# Allegro board STANDARD.brd
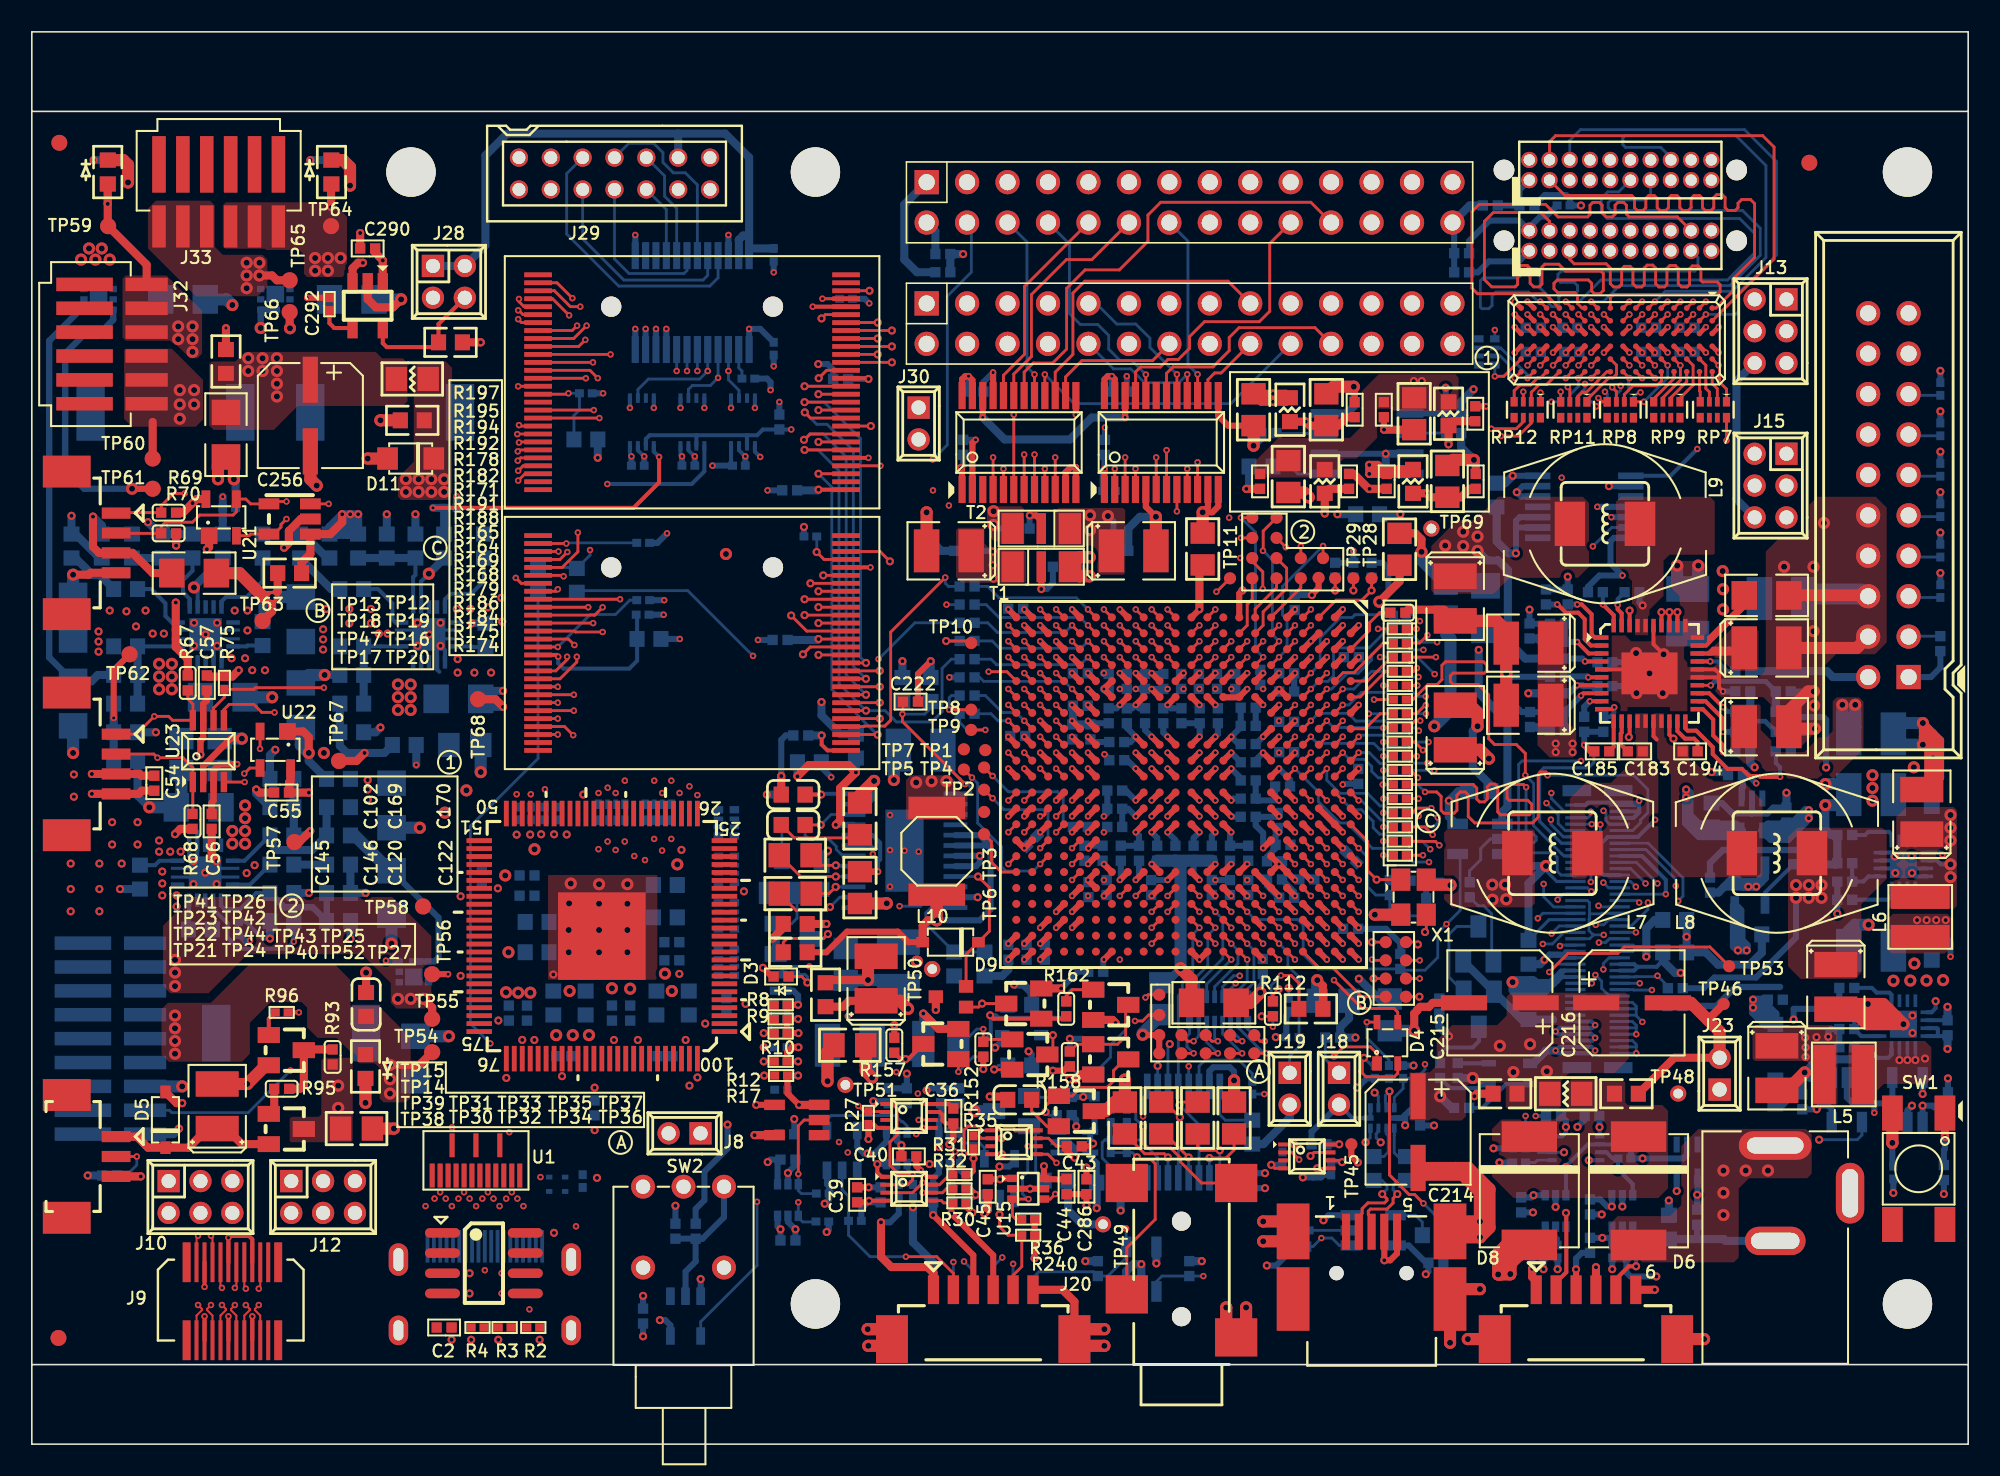
[diagram p0: board, top side]
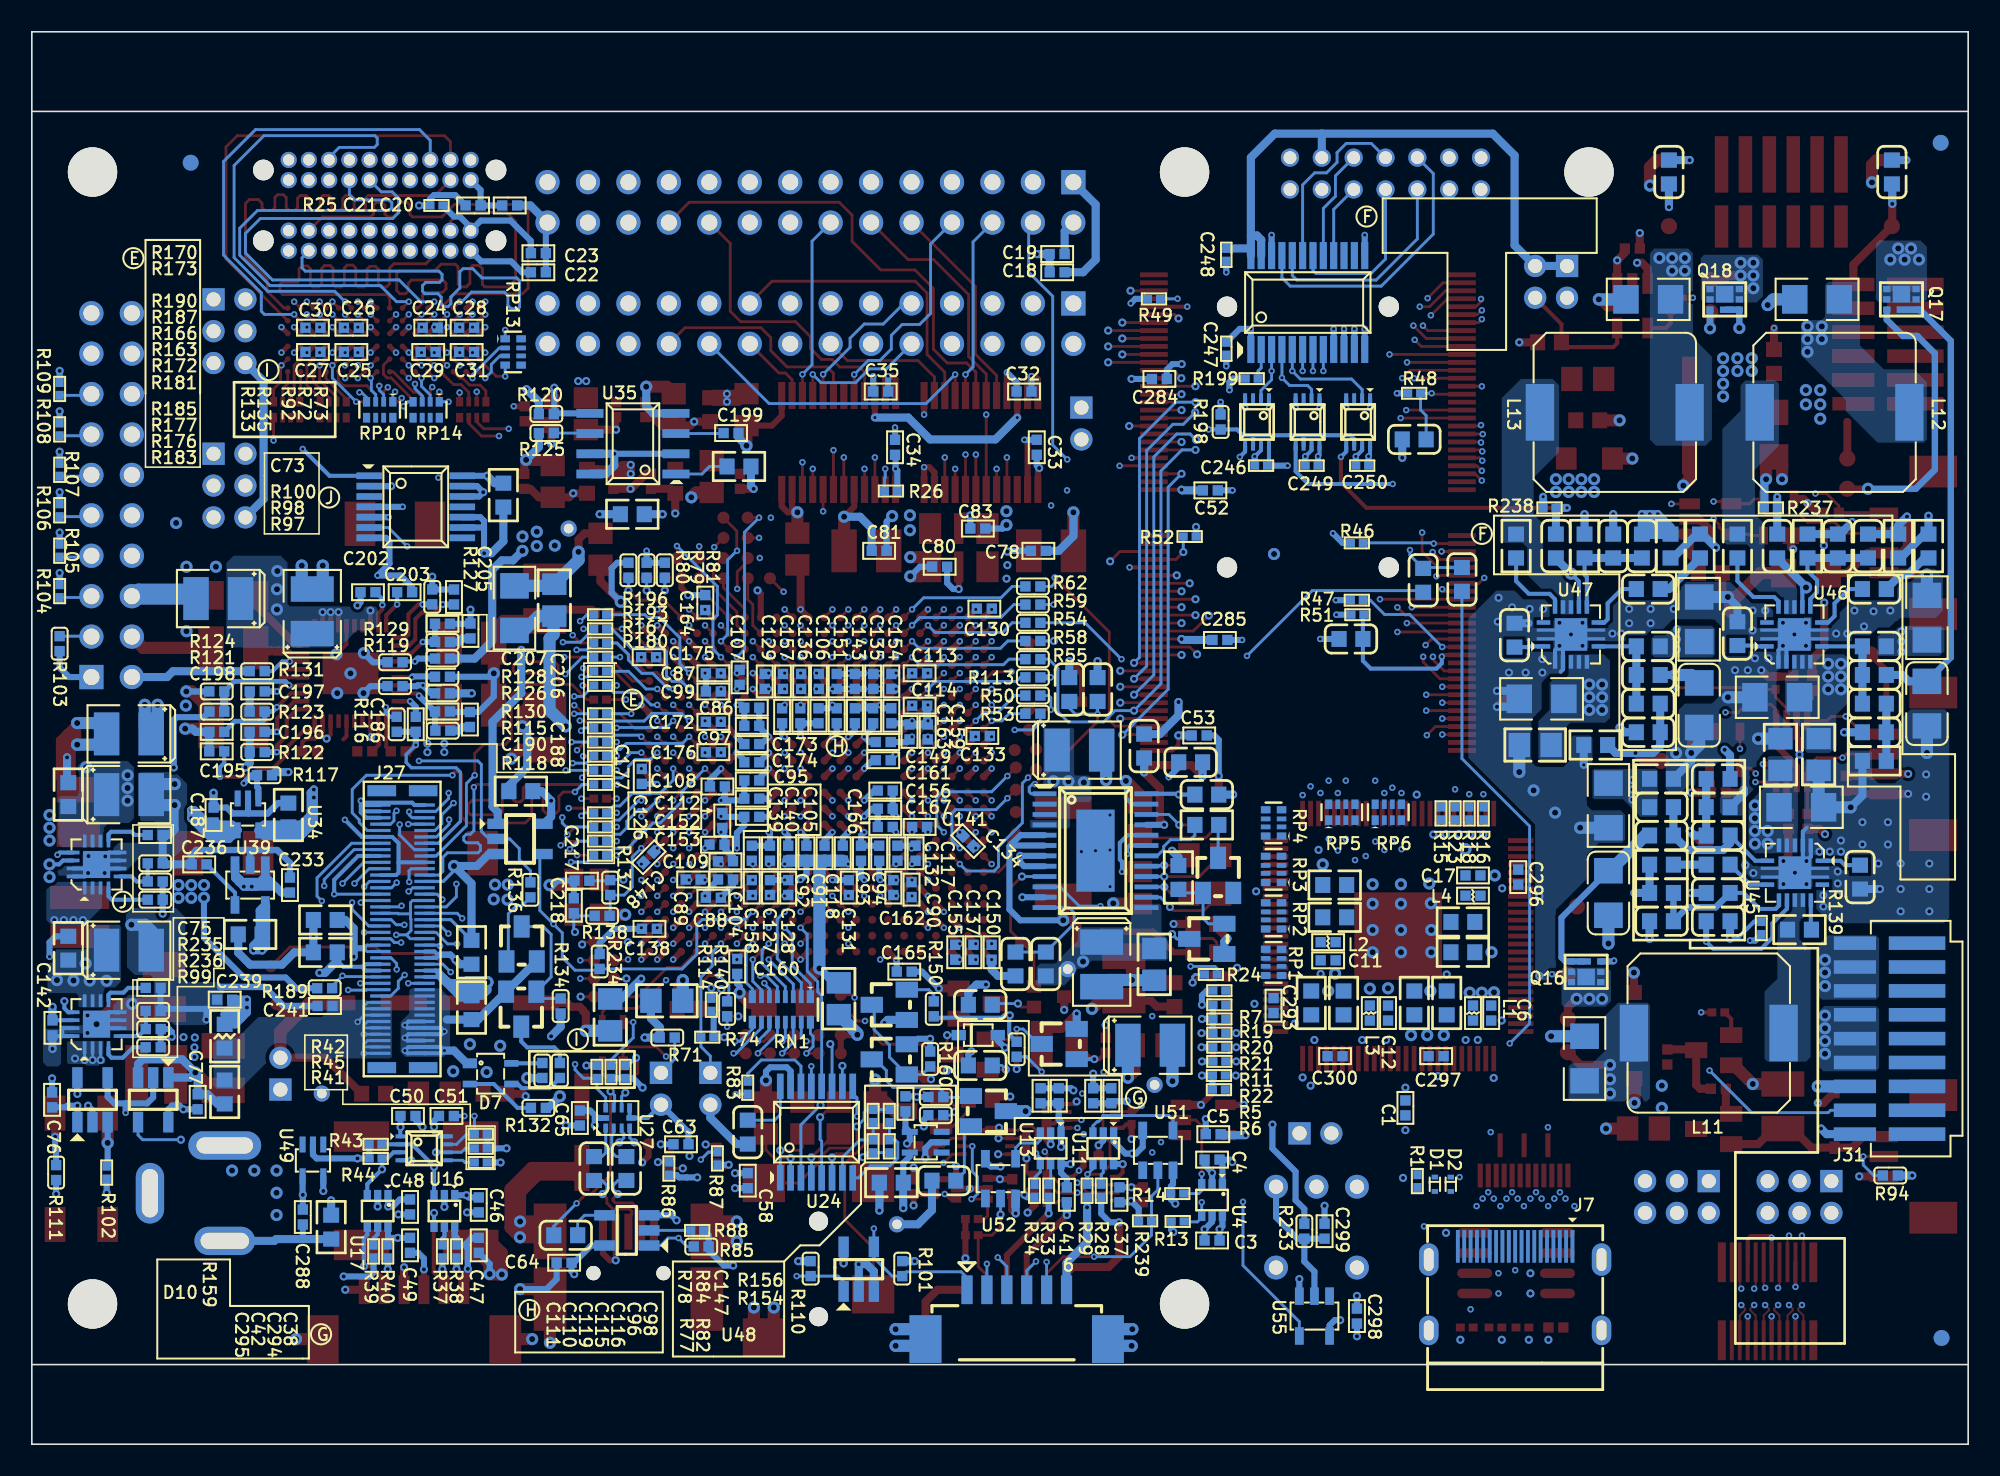
[diagram p1: board, bottom side, seen from below]

Outline 121.6 x 88.74 mm; copper layers: TOP, 2-GND, 3-SIG, 4--SIG, 5-VCC, 6-SIG, 7-VCC, BOTTOM. Coordinates in mm from the lower left corner of the outline.
Outline path: 0,83.74 0,88.74 121.6,88.74 121.6,83.74 ; 0,5 0,0 121.6,0 121.6,5

## Design rules (mm)
net group DIFF: nets USB_DAT_N USB_DAT_P
net group DIFFPAIR0: nets USB_DAT_NS USB_DAT_PS
net group DIFFPAIR2: nets RX_DATA0N RX_DATA0P
net group DIFFPAIR4: nets RX_DATA2N RX_DATA2P
net group DIFFPAIR5: nets DAT_N DAT_P
net group DIFFPAIR6: nets SYS_USB_DN SYS_USB_DP
net group P1_: nets P1_FIELD P2_CLK
net group 20: nets P3_CLK XTAL_IN XTAL_OUT
net group A2: nets A2 DVR0 P1_A2
net group A3: nets A3 DVR1 P1_A3
net group A4: nets A4 DVR2 P1_A4
net group A5: nets A5 DVR3 P1_A5
net group A6: nets A6 DVR4 P1_A6
net group A7: nets A7 DVR5 P1_A7
net group A8: nets A8 DVR6 P1_A8
net group A9: nets A9 DVR7 P1_A9
net group B2: nets B2 DVG0 P1_B2
net group B3: nets B3 DVG1 P1_B3
net group B4: nets B4 DVG2 P1_B4
net group B5: nets B5 DVG3 P1_B5
net group B6: nets B6 DVG4 P1_B6
net group B7: nets B7 DVG5 P1_B7
net group B8: nets B8 DVG6 P1_B8
net group B9: nets B9 DVG7 P1_B9
net group C2: nets C2 DVB0 P1_C2
net group C3: nets C3 DVB1 P1_C3
net group C4: nets C4 DVB2 P1_C4
net group C5: nets C5 DVB3 P1_C5
net group C6: nets C6 DVB4 P1_C6
net group C7: nets C7 DVB5 P1_C7
net group C8: nets C8 DVB6 P1_C8
net group C9: nets C9 DVB7 P1_C9
net group CLK: nets SSP0_CLK
net group D: nets DMD_D00 DMD_D01 DMD_D03 DMD_D04 DMD_D05 DMD_D07 DMD_D08 DMD_D11 DMD_D12 DMD_D13 DMD_D15 DMD_D16 DMD_D17 DMD_D20 DMD_D21 DMD_D22 DMD_D23 DMD_DAD_BUS DMD_DAD_OEZ DMD_DAD_STRB DMD_LOADB DMD_SAC_BUS DMD_SAC_CLK DMD_SCTRL DMD_TRC
net group DMD: nets D_D02 D_D06 D_D09 D_D10 D_D14 D_D18 D_D19 D_DCLK
net group DMD_D00: nets D_D00
net group DMD_D01: nets D_D01
net group DMD_D02: nets DMD_D02
net group DMD_D03: nets D_D03
net group DMD_D04: nets D_D04
net group DMD_D05: nets D_D05
net group DMD_D06: nets DMD_D06
net group DMD_D07: nets D_D07
net group DMD_D08: nets D_D08
net group DMD_D09: nets DMD_D09
net group DMD_D10: nets DMD_D10
net group DMD_D11: nets D_D11
net group DMD_D12: nets D_D12
net group DMD_D13: nets D_D13
net group DMD_D14: nets DMD_D14
net group DMD_D15: nets D_D15
net group DMD_D16: nets D_D16
net group DMD_D17: nets D_D17
net group DMD_D18: nets DMD_D18
net group DMD_D19: nets DMD_D19
net group DMD_D20: nets D_D20
net group DMD_D21: nets D_D21
net group DMD_D22: nets D_D22
net group DMD_D23: nets D_D23
net group DMD_DAD_BUS: nets D_BUS
net group DMD_DAD_OEZ: nets D_OEZ
net group DMD_DAD_STRB: nets D_STRB
net group DMD_DCLK: nets DMD_DCLK
net group DMD_LOADB: nets D_LOADB
net group DMD_SAC_BUS: nets D_SACBUS
net group DMD_SAC_CLK: nets D_SACCLK
net group DMD_SCTRL: nets D_SCTRL
net group DMD_TRC: nets D_TRC
net group DVCLK: nets DVCLK MOC MUX_PCLK
net group DVDE: nets DVDE MDE MUX_DATAEN
net group DVHS: nets DVHS MHS MUX_HSYNC
net group DVVS: nets DVVS MUX_VSYNC MVS
net group PM_: nets PM_BLS0 PM_BLS0S PM_BLS1 PM_BLS1S PM_OEZ PM_SRAM_CSSZ PM_SRAM_CSZ PM_WEZ
net group PWR_PH: nets A1P8V_PLLD A1P8V_PLLM P1P2V_PLLD P1P2V_PLLM P1P8V_LED P1P8V_TIN P1P8V_TOUT P2P5V
net group SYS-M: nets SYS_DATA00 SYS_DATA01 SYS_DATA02 SYS_DATA03 SYS_DATA04 SYS_DATA05 SYS_DATA06 SYS_DATA07 SYS_DATA08 SYS_DATA09 SYS_DATA10 SYS_DATA11 SYS_DATA12 SYS_DATA13 SYS_DATA14 SYS_DATA15 SYS_DATA16 SYS_DATA17 SYS_DATA18 SYS_DATA19 SYS_DATA20 SYS_DATA21 SYS_DATA22 SYS_DATA23 SYS_DATA_EN SYS_HSYNC SYS_PCLK SYS_VSYNC
net group TRACEPT: nets TRACEPKT0 TRACEPKT1 TRACEPKT2 TRACEPKT3 TRACEPKT6 TRACEPKT7

## Placement (name value [footprint] x y rotation side)
C1  0.1uF  [CAP_0402]  35.34 21.13 270 bottom
C2  0.1uF  [CAP_0402]  25.89 7.33 180 top
C3  0.1uF  [CAP_0402]  47.48 12.8 0 bottom
C4  0.1uF  [CAP_0402]  47.48 17.88 0 bottom
C5  0.1uF  [CAP_0402]  47.41 19.48 0 bottom
C6  0.1uF  [CAP_0402]  29.95 27.09 270 bottom
C7  10uF  [CAP_0603]  34.78 27.72 90 bottom
C8  10uF  [CAP_0603]  32.75 27.72 90 bottom
C9  10uF  [CAP_0603]  39.78 33.1 180 bottom
C10  10uF  [CAP_0603]  39.78 35.13 180 bottom
C11  0.1uF  [CAP_0402]  40.19 30.4 0 bottom
C12  0.1uF  [CAP_0402]  36.43 27.09 270 bottom
C13  10uF  [CAP_0603]  39.22 27.72 90 bottom
C14  10uF  [CAP_0603]  41.26 27.72 90 bottom
C15  10uF  [CAP_0603]  31.73 30.91 0 bottom
C16  10uF  [CAP_0603]  31.73 32.81 0 bottom
C17  0.1uF  [CAP_0402]  31.1 35.73 180 bottom
C18  0.1uF  [CAP_0402]  57.21 73.63 0 bottom
C19  0.1uF  [CAP_0402]  57.21 74.78 0 bottom
C20  0.1uF  [CAP_0402]  91.59 77.83 180 bottom
C21  0.1uF  [CAP_0402]  93.89 77.83 0 bottom
C22  0.1uF  [CAP_0402]  89.79 73.63 180 bottom
C23  0.1uF  [CAP_0402]  89.79 74.83 180 bottom
C24  0.1 uF  [CAP_0402]  96.58 70.15 0 bottom
C25  0.1 uF  [CAP_0402]  101.53 68.63 0 bottom
C26  0.1 uF  [CAP_0402]  101.53 70.15 0 bottom
C27  0.1 uF  [CAP_0402]  103.95 68.63 0 bottom
C28  0.1 uF  [CAP_0402]  94.3 70.15 0 bottom
C29  0.1 uF  [CAP_0402]  96.71 68.63 0 bottom
C30  0.1 uF  [CAP_0402]  103.95 70.15 0 bottom
C31  0.1 uF  [CAP_0402]  94.3 68.63 0 bottom
C32  0.1uF  [CAP_0402]  59.29 66.14 0 bottom
C33  0.1uF  [CAP_0402]  58.49 62.64 90 bottom
C34  0.1uF  [CAP_0402]  67.39 62.64 90 bottom
C35  0.1uF  [CAP_0402]  68.29 66.14 0 bottom
C36  0.1uF  [CAP_0402]  57.87 20.62 270 top
C37  0.1uF  [CAP_0402]  53.3 15.67 270 bottom
C38  0.1uF  [CAP_0402]  53.81 21.89 90 bottom
C39  0.1uF  [CAP_0402]  51.83 15.67 270 top
C40  0.1uF  [CAP_0402]  55.08 18.08 180 top
C41  0.1uF  [CAP_0402]  56.6 15.67 270 bottom
C42  0.1uF  [CAP_0402]  57.11 21.89 90 bottom
C43  0.1uF  [CAP_0402]  65.47 18.72 180 top
C44  0.1uF  [CAP_0402]  64.98 16.18 270 top
C45  0.1uF  [CAP_0402]  60.03 16.18 270 top
C46  0.1uF  [CAP_0402]  93.53 15.03 270 bottom
C47  0.1uF  [CAP_0402]  93.53 12.49 270 bottom
C48  0.1uF  [CAP_0402]  97.85 14.91 270 bottom
C49  0.1uF  [CAP_0402]  97.85 12.49 270 bottom
C50  0.1uF  [CAP_0402]  97.98 20.62 180 bottom
C51  0.1uF  [CAP_0402]  95.56 20.62 180 bottom
C52  0.1 uF  [CAP_0402]  47.59 59.93 0 bottom
C53  0.1 uF  [CAP_0402]  48.29 44.53 0 bottom
C54  0.1 uF  [CAP_0402]  7.69 41.53 90 top
C55  0.1 uF  [CAP_0402]  15.68 40.94 0 top
C56  0.1uF  [CAP_0402]  11.29 39.13 270 top
C57  0.1uF  [CAP_0402]  10.99 47.83 90 top
C58  0.1 uF  [CAP_0402]  76.64 16.56 90 bottom
C59  0.1 uF  [CAP_0805]  75.5 20.49 90 top
C60  0.1 uF  [CAP_0805]  73.21 20.49 270 top
C61  0.1 uF  [CAP_0805]  68.64 20.49 90 top
C62  0.1 uF  [CAP_0805]  70.93 20.49 270 top
C63  0.1uF  [CAP_0402]  80.83 18.84 180 bottom
C64  0.1 uF  [CAP_0402]  88.17 11.4 180 bottom
C65  0.1uF  [CAP_0402]  87.18 20.49 270 bottom
C66  1 uF  [CAP_0805]  20.39 19.83 180 top
C67  22 uF  [CAP_1210]  11.64 21.23 270 top
C68  10 uF  [CAP_1210]  115.5 40.81 180 bottom
C69  22 uF  [CAP_1210]  118.69 39.73 270 top
C70  10 uF  [CAP_1210]  115.5 31.04 180 bottom
C71  22 uF  [CAP_1210]  109.59 23.63 90 top
C72  0.1 uF  [CAP_0603]  119.31 40.81 270 bottom
C73  3.3 nF  [CAP_0402]  113.85 38.27 0 bottom
C74  0.1 uF  [CAP_0603]  119.31 31.16 270 bottom
C75  3.3 nF  [CAP_0402]  113.98 28.67 0 bottom
C76  0.1 uF  [CAP_0402]  120.33 21.64 90 bottom
C77  0.1 uF  [CAP_0402]  111.19 21.51 270 bottom
C78  0.1 uF  [CAP_0402]  58.39 56.13 180 bottom
C79  22 uF  [CAP_1210]  57.59 56.13 0 top
C80  10 nF  [CAP_0402]  64.59 55.13 180 bottom
C81  0.1 uF  [CAP_0402]  68.39 56.13 0 bottom
C82  22 uF  [CAP_1210]  69.19 56.13 180 top
C83  10 nF  [CAP_0402]  62.19 57.53 0 bottom
C84  10 uF  [CAP_0805]  85.28 26.97 270 bottom
C85  10 uF  [CAP_0805]  70.93 27.99 270 bottom
C86  0.1 uF  [CAP_0402]  76.39 46.28 180 bottom
C87  0.1 uF  [CAP_0402]  78.8 48.43 0 bottom
C88  0.1 uF  [CAP_0402]  78.8 34.34 0 bottom
C89  0.1 uF  [CAP_0402]  80.07 35.48 0 bottom
C90  0.1 uF  [CAP_0402]  66.36 34.85 270 bottom
C91  0.1 uF  [CAP_0402]  71.82 37.13 90 bottom
C92  0.1 uF  [CAP_0402]  72.96 37.13 90 bottom
C93  0.1 uF  [CAP_0402]  69.53 37.13 90 bottom
C94  0.1 uF  [CAP_0402]  68.39 37.13 90 bottom
C95  0.1 uF  [CAP_0402]  76.39 41.7 180 bottom
C96  0.1 uF  [CAP_0402]  68.77 45.77 270 bottom
C97  0.1 uF  [CAP_0402]  76.39 45.13 180 bottom
C98  0.1 uF  [CAP_0402]  67.62 45.77 270 bottom
C99  0.1 uF  [CAP_0402]  78.8 47.29 0 bottom
C100  10 uF  [CAP_0805]  76.72 65 270 top
C101  10 uF  [CAP_0805]  81.29 65 90 top
C102  0.001 uF  [CAP_0402]  83.07 65 270 top
C103  100 uF  [CAP_1206]  74.23 27.73 0 top
C104  0.1 uF  [CAP_0402]  78.04 35.48 0 bottom
C105  0.1 uF  [CAP_0402]  74.1 37.13 90 bottom
C106  0.1 uF  [CAP_0402]  72.17 47.93 270 bottom
C107  0.1 uF  [CAP_0402]  77.15 48.18 270 bottom
C108  0.1 uF  [CAP_0402]  78.55 41.32 0 bottom
C109  0.1 uF  [CAP_0402]  78.04 36.62 180 bottom
C110  0.1 uF  [CAP_0402]  73.34 45.77 270 bottom
C111  0.1 uF  [CAP_0402]  74.48 45.77 270 bottom
C112  0.1 uF  [CAP_0402]  76.39 40.56 180 bottom
C113  0.1 uF  [CAP_0402]  65.85 48.43 180 bottom
C114  0.1 uF  [CAP_0402]  65.85 46.4 180 bottom
C115  0.1 uF  [CAP_0402]  71.05 45.77 270 bottom
C116  0.1 uF  [CAP_0402]  69.91 45.77 270 bottom
C117  0.1 uF  [CAP_0402]  66.1 37.13 90 bottom
C118  0.1 uF  [CAP_0402]  70.67 37.13 90 bottom
C119  0.1 uF  [CAP_0402]  72.2 45.77 270 bottom
C120  0.1 uF  [CAP_0402]  85.09 60.5 270 top
C121  10 uF  [CAP_0805]  88.9 60.5 90 top
C122  0.001 uF  [CAP_0402]  90.67 60.5 270 top
C123  10 uF  [CAP_0805]  81.72 27.86 180 bottom
C124  10 uF  [CAP_0805]  85.89 56.23 90 top
C125  10 uF  [CAP_0805]  73.53 56.24 90 top
C126  0.1 uF  [CAP_0402]  78.24 39.19 270 bottom
C127  0.1 uF  [CAP_0402]  75.25 34.97 90 bottom
C128  0.1 uF  [CAP_0402]  74.1 34.97 90 bottom
C129  0.1 uF  [CAP_0402]  75.58 47.93 270 bottom
C130  0.1 uF  [CAP_0402]  61.78 52.5 0 bottom
C131  0.1 uF  [CAP_0402]  70.29 34.97 90 bottom
C132  0.1 uF  [CAP_0402]  67.24 37.13 90 bottom
C133  0.1 uF  [CAP_0402]  61.91 44.5 0 bottom
C134  0.1 uF  [CAP_0402]  62.8 37.89 45 bottom
C135  0.1 uF  [CAP_0402]  68.77 47.93 270 bottom
C136  0.1 uF  [CAP_0402]  73.29 47.93 270 bottom
C137  0.1 uF  [CAP_0402]  62.47 30.91 90 bottom
C138  0.1 uF  [CAP_0402]  82.81 32.38 180 bottom
C139  0.1 uF  [CAP_0402]  76.39 37.13 90 bottom
C140  0.1 uF  [CAP_0402]  75.25 37.13 90 bottom
C141  0.1 uF  [CAP_0402]  65.85 38.78 180 bottom
C142  0.1 uF  [CAP_0402]  120.3 26.16 270 bottom
C143  0.1 uF  [CAP_0402]  69.91 47.93 270 bottom
C144  10 uF  [CAP_0805]  78.91 60.8 270 top
C145  0.1 uF  [CAP_0402]  77.13 60.5 270 top
C146  0.1 uF  [CAP_0402]  82.72 60.5 90 top
C147  0.1 uF  [CAP_0402]  66.74 21.38 90 bottom
C148  0.1 uF  [CAP_0402]  82.87 36.88 135 bottom
C149  0.1 uF  [CAP_0402]  68.13 44.12 0 bottom
C150  0.1 uF  [CAP_0402]  61.33 30.91 270 bottom
C151  0.1 uF  [CAP_0402]  71.05 47.93 270 bottom
C152  0.1 uF  [CAP_0402]  76.39 39.42 180 bottom
C153  0.1 uF  [CAP_0402]  78.57 37.66 180 bottom
C154  0.1 uF  [CAP_0402]  67.62 47.93 90 bottom
C155  0.1 uF  [CAP_0402]  63.61 30.91 90 bottom
C156  0.1 uF  [CAP_0402]  68.01 41.07 0 bottom
C157  0.1 uF  [CAP_0402]  74.43 47.93 270 bottom
C158  0.1 uF  [CAP_0402]  76.39 34.97 90 bottom
C159  0.1 uF  [CAP_0402]  65.34 44.75 90 bottom
C160  0.1 uF  [CAP_0402]  77.3 30.02 270 bottom
C161  0.1 uF  [CAP_0402]  68.13 42.97 0 bottom
C162  0.1 uF  [CAP_0402]  67.5 34.97 90 bottom
C163  0.1 uF  [CAP_0402]  66.48 44.75 90 bottom
C164  0.1 uF  [CAP_0402]  79.31 52.88 90 bottom
C165  0.1 uF  [CAP_0402]  66.81 29.69 180 bottom
C166  0.1 uF  [CAP_0402]  68.01 38.78 0 bottom
C167  0.1 uF  [CAP_0402]  68.01 39.93 0 bottom
C168  10 uF  [CAP_0805]  86.81 64.74 270 top
C169  0.1 uF  [CAP_0402]  84.9 65 270 top
C170  0.1 uF  [CAP_0402]  90.65 64.74 90 top
C171  10 uF  [CAP_0805]  88.79 53.03 90 bottom
C172  0.1 uF  [CAP_0402]  78.8 45.39 180 bottom
C173  0.1 uF  [CAP_0402]  76.39 43.99 180 bottom
C174  0.1 uF  [CAP_0402]  76.39 42.85 180 bottom
C175  0.1 uF  [CAP_0402]  82.87 49.45 180 bottom
C176  0.1 uF  [CAP_0402]  78.8 43.48 180 bottom
C177  0.1 uF  [CAP_0402]  83.3 41.96 270 bottom
C178  100 uF  [CAP_1206]  91.29 52.53 90 bottom
C179  10 uF  [CAP_1210]  93.99 46.43 180 top
C180  10 uF  [CAP_1210]  109.89 53.13 0 bottom
C181  10 uF  [CAP_1210]  108.94 45.08 0 top
C182  10 uF  [CAP_1210]  115.5 44.63 0 bottom
C183  47 nF  [CAP_0402]  100.69 43.53 0 top
C184  22 uF  [CAP_1210]  89.39 45.03 270 top
C185  4.7 nF  [CAP_0402]  98.59 43.53 180 top
C186  4.7 nF  [CAP_0402]  97.49 45.23 270 bottom
C187  0.1 uF  [CAP_0402]  110.19 39.53 90 bottom
C188  4.7 nF  [CAP_0402]  94.09 45.53 270 bottom
C189  2.2 uF  [CAP_0603]  105.49 39.53 270 bottom
C190  100 pF  [CAP_0402]  95.81 46.03 0 bottom
C191  10 uF  [CAP_1210]  103.99 52.33 90 bottom
C192  22 uF  [CAP_1210]  113.29 28.73 90 top
C193  0.1 uF  [CAP_0603]  83.89 58.43 0 bottom
C194  47 nF  [CAP_0402]  104.14 43.53 180 top
C195  10 nF  [CAP_0402]  109.99 43.53 0 bottom
C196  4.7 nF  [CAP_0402]  107.45 44.76 0 bottom
C197  4.7 nF  [CAP_0402]  107.45 47.3 0 bottom
C198  100 pF  [CAP_0402]  109.99 44.76 180 bottom
C199  47 nF  [CAP_0402]  77.69 63.53 0 bottom
C200  0.1 uF  [CAP_0603]  77.19 61.43 0 bottom
C201  10 uF  [CAP_1210]  93.99 50.33 180 top
C202  47 nF  [CAP_0402]  100.49 53.53 0 bottom
C203  10 nF  [CAP_0402]  98.19 53.53 180 bottom
C204  22 uF  [CAP_1210]  89.39 53.13 90 top
C205  4.7 nF  [CAP_0402]  95.09 53.23 90 bottom
C206  4.7 nF  [CAP_0402]  94.05 51.09 270 bottom
C207  100 pF  [CAP_0402]  95.81 51.55 0 bottom
C208  0.1 uF  [CAP_0603]  90.89 41.03 180 bottom
C209  3.3 uF  [CAP_1206]  108.94 53.33 180 top
C210  10 uF  [CAP_1210]  108.94 50.03 0 top
C211  0.1 uF  [CAP_0603]  91.99 59.63 90 bottom
C212  0.1 uF  [CAP_0603]  100.14 22.02 180 top
C213  0.1 uF  [CAP_0603]  92.52 22.02 0 top
C214  100 uF  [CAP-FK-V-CASEE_PAN]  87.06 19.61 180 top
C215  100 uF  [CAP-FK-V-CASEE_PAN]  92.19 27.73 90 top
C216  100 uF  [CAP-FK-V-CASEE_PAN]  100.49 27.73 270 top
C217  10 pF  [CAP_0402]  87.06 35.4 0 bottom
C218  10 pF  [CAP_0402]  87.56 33.83 90 bottom
C219  0.01 uF  [CAP_0603]  80.33 27.35 180 top
C220  1 uF  [CAP_0603]  47.94 30.91 0 top
C221  10 uF  [CAP_1210]  55.81 43.61 0 bottom
C222  6.2 PF  [CAP_0402]  55.18 46.66 180 top
C223  22 uF  [CAP_1210]  53.02 29.26 270 top
C224  0.1 uF  [CAP_0603]  49.85 28.24 270 top
C225  1000PF  [CAP_0805]  52 39.29 270 top
C226  0.1 uF  [CAP_0805]  47.94 37 0 top
C227  1 uF  [CAP_0603]  47.81 38.91 180 bottom
C228  1 uF  [CAP_0603]  49.6 35.61 270 bottom
C229  0.1 uF  [CAP_0805]  47.94 34.59 0 top
C230  1 uF  [CAP_0603]  47.94 32.69 180 top
C231  10 uF  [CAP_1210]  51.37 25.07 0 bottom
C232  0.1 uF  [CAP_0805]  51.37 25.07 0 top
C233  0.1 uF  [CAP_0402]  105.39 35.13 270 bottom
C234  2.2 uF  [CAP_0603]  107.89 32.03 180 bottom
C235  0.22 uF  [CAP_0805]  52 34.97 270 top
C236  0.1 uF  [CAP_0402]  111.09 36.43 180 bottom
C237  10 uF  [CAP_1210]  54.42 30.15 270 bottom
C238  0.1 uF  [CAP_0805]  51.12 30.15 270 bottom
C239  0.1 uF  [CAP_0402]  109.49 27.93 180 bottom
C240  10 uF  [CAP_0603]  109.49 22.13 270 bottom
C241  0.1 uF  [CAP_0402]  103.19 27.53 180 bottom
C242  0.1 uF  [CAP_0603]  93.99 30.91 270 bottom
C243  0.1 uF  [CAP_0603]  103.17 30.9 180 bottom
C244  0.1 uF  [CAP_0603]  103.17 32.94 180 bottom
C245  0.1 uF  [CAP_0603]  93.99 27.43 90 bottom
C246  0.1uF  [CAP_0201]  44.41 61.48 0 bottom
C247  0.1uF  [CAP_0201]  46.59 68.83 270 bottom
C248  0.1uF  [CAP_0201]  46.59 74.73 270 bottom
C249  0.1uF  [CAP_0201]  41.23 61.48 0 bottom
C250  0.1uF  [CAP_0201]  38.06 61.48 0 bottom
C251  0.1 uF  [CAP_0603]  16.19 54.73 0 top
C252  10uF  [CAP_1206]  10.19 54.73 180 top
C253  0.1 uF  [CAP_0603]  23.89 64.33 0 top
C254  0.1 uF  [CAP_0603]  12.19 68.03 270 top
C255  10uF  [CAP_1206]  12.19 63.43 90 top
C256  100 uF  [CAP-FK-V-CASEE_PAN]  17.49 64.63 180 top
C257  0.1 uF  [CAP_0603]  10.59 32.33 180 bottom
C258  10uF  [CAP_1206]  10.48 40.02 0 bottom
C259  4.7uF  [CAP_0805]  11.79 43.33 90 bottom
C260  10uF  [CAP_1206]  24.09 24.23 270 bottom
C261  8.2n  [CAP_0603]  19.26 36.41 180 bottom
C262  NC_0.1 uF  [CAP_0603]  19.26 34.64 180 bottom
C263  0.33uF  [CAP_0603]  15.7 40.02 0 bottom
C264  0.1 uF  [CAP_0603]  19.26 41.8 0 bottom
C265  10uF  [CAP_1206]  22.59 40.13 90 bottom
C266  0.1 uF  [CAP_0603]  14.49 56.43 270 bottom
C267  10uF  [CAP_1206]  11.99 46.93 180 bottom
C268  4.7uF  [CAP_0805]  9.39 43.33 270 bottom
C269  10uF  [CAP_1206]  9.49 71.93 180 bottom
C270  8.2n  [CAP_0603]  2.49 56.43 270 bottom
C271  NC_0.1 uF  [CAP_0603]  10.09 56.43 270 bottom
C272  0.33uF  [CAP_0603]  5.89 42.93 180 bottom
C273  0.1 uF  [CAP_0603]  4.39 56.43 90 bottom
C274  10uF  [CAP_1206]  2.59 51.93 270 bottom
C275  0.1 uF  [CAP_0603]  28.39 56.43 270 bottom
C276  10uF  [CAP_1206]  26.79 46.83 180 bottom
C277  4.7uF  [CAP_0805]  27.19 43.93 0 bottom
C278  10uF  [CAP_1206]  20.09 71.93 180 bottom
C279  NC_0.1 uF  [CAP_0603]  24.09 56.43 270 bottom
C280  8.2n  [CAP_0603]  16.84 56.43 270 bottom
C281  0.33uF  [CAP_0603]  23.39 43.93 180 bottom
C282  0.1 uF  [CAP_0603]  18.69 56.43 90 bottom
C283  10uF  [CAP_1206]  16.89 51.83 270 bottom
C284  0.1 uF  [CAP_0402]  50.79 66.93 0 bottom
C285  0.1 uF  [CAP_0402]  46.99 50.53 0 bottom
C286  0.1 uF  [CAP_0402]  66.23 16.18 270 top
C287  2.2 uF  [CAP_0603]  67.62 16.43 180 bottom
C288  0.1 uF  [CAP_0402]  104.58 14.27 270 bottom
C289  2.2 uF  [CAP_0603]  102.8 13.64 90 bottom
C290  0.1 uF  [CAP_0402]  21.09 75.13 180 top
C291  2.2 uF  [CAP_0603]  26.29 69.23 180 top
C292  0.1uF  [CAP_0201]  18.69 71.63 90 top
C293  0.1uF  [CAP_0402]  43.62 27.56 270 bottom
C294  0.1uF  [CAP_0402]  54.95 21.89 90 bottom
C295  0.1uF  [CAP_0402]  58.25 21.89 90 bottom
C296  0.1uF  [CAP_0402]  28.26 35.63 90 bottom
C297  0.1uF  [CAP_0402]  33.41 24.38 180 bottom
C298  0.1uF  [CAP_0402]  38.39 8.05 90 bottom
C299  0.1uF  [CAP_0402]  40.42 13.38 90 bottom
C300  0.1uF  [CAP_0402]  39.76 24.38 180 bottom
D1  ESD9C5.0ST5G  [SOD-923]  33.49 16.33 90 bottom
D2  ESD9C5.0ST5G  [SOD-923]  32.49 16.33 90 bottom
D3  SML-LX0402SUGC  [D_0402]  47.05 29.38 180 top
D4  LNJ107W5PRW  [4-SMD_GULL_WING]  85.13 25.22 90 top
D5  STPS0560Z  [SOD_123]  8.39 20.38 270 top
D6  B520C-13-F  [DO-214AB_SMC]  100.9 15.92 270 top
D7  LNJ107W5PRW  [4-SMD_GULL_WING]  92.79 23.28 180 bottom
D8  SMCJ15CA  [DO-214AB_SMC]  94.04 15.92 270 top
D9  STPS0560Z  [SOD_123]  57.69 31.54 0 top
D10  MAZ80330HL  [SC-90_SOD-323F]  62.16 25.7 180 bottom
D11  SMF15A-GS08  [DO-219AB]  23.79 61.93 0 top
D12  CDBU0520  [D_0603]  20.95 23.73 270 top
D13  CDBU0520  [D_0603]  4.76 79.93 90 top
D14  CDBU0520  [D_0603]  18.82 79.93 90 top
DN1  BAT54SW  [SOT323AVX]  47.1 35.73 180 bottom
DN2  BAT54SW  [SOT323AVX]  47.81 31.75 90 bottom
FB1  MI0603J680R-10  [FLTR_0603]  79.01 65 270 top
FB2  MI0603J680R-10  [FLTR_0603]  86.74 60.5 270 top
FB3  MI0603J680R-10  [FLTR_0603]  81.19 60.5 270 top
FB4  MI0603J680R-10  [FLTR_0603]  88.97 64.74 270 top
FB5  HI0805R800R-10  [FLTR_0805]  96.33 22.02 180 top
FB6  MI0603J680R-10  [FLTR_0603]  109.49 25.63 270 bottom
FB7  HI0805R800R-10  [FLTR_0805]  23.89 66.93 180 top
J1  SFM-110-03-L-D-A  [CONN_2X20]  94.04 79.42 0 top
J3  SSQ-114-01-F-D  [CONN_2X14]  56.2 79.3 90 top
J4  SFM-110-03-L-D-A  [CONN_2X20]  94.04 74.98 0 top
J6  SSQ-114-01-F-D  [CONN_2X14]  56.2 71.68 90 top
J7  MHDMI-19-02-H-TH-L-TR  [HDMI19]  32.05 12.43 0 bottom
J8  -  [951102-8622-AR]  41.99 19.53 180 top
J9  AXK5S20047YG  [CONN_2X10]  19.09 7.53 0 top
J10  -  [951206-8622-AR]  8.59 14.53 0 top
J11  53261-0671  [CONN_6]  59.75 5.7 0 top
J12  -  [951206-8622-AR]  16.29 14.53 0 top
J13  -  [951206-8622-AR]  108.19 71.93 270 top
J14  53261-0671  [CONN_6]  97.6 5.7 0 top
J15  -  [951206-8622-AR]  108.19 62.23 270 top
J16  53261-0471  [CONN_4]  1.29 55.38 270 top
J17  53261-0471  [CONN_4]  1.29 41.49 270 top
J18  -  [951102-8622-AR]  82.09 23.33 270 top
J19  -  [951102-8622-AR]  78.99 23.33 270 top
J20  SJ-2523-SMT  [PH_TG-2573]  75.88 7.09 180 top
J21  1734035-2  [CONN_5_USB_MINI_B]  84.13 13.37 180 top
J22  53261-0371  [CONN_3]  1.29 16.2 270 top
J23  -  [951102-8622-AR]  105.99 22.28 90 top
J24  CON20A  [CON_10X2]  115.32 48.2 180 top
J25  53261-0671  [CONN_6]  59.75 5.7 180 bottom
J26  RAPC712X  [CONN_PWRJACK]  109.48 18.77 270 top
J27  -  [AXT580124]  97.07 24.56 90 bottom